# Altium PCB PCB.PcbDoc (part 3 of 4) (continued)
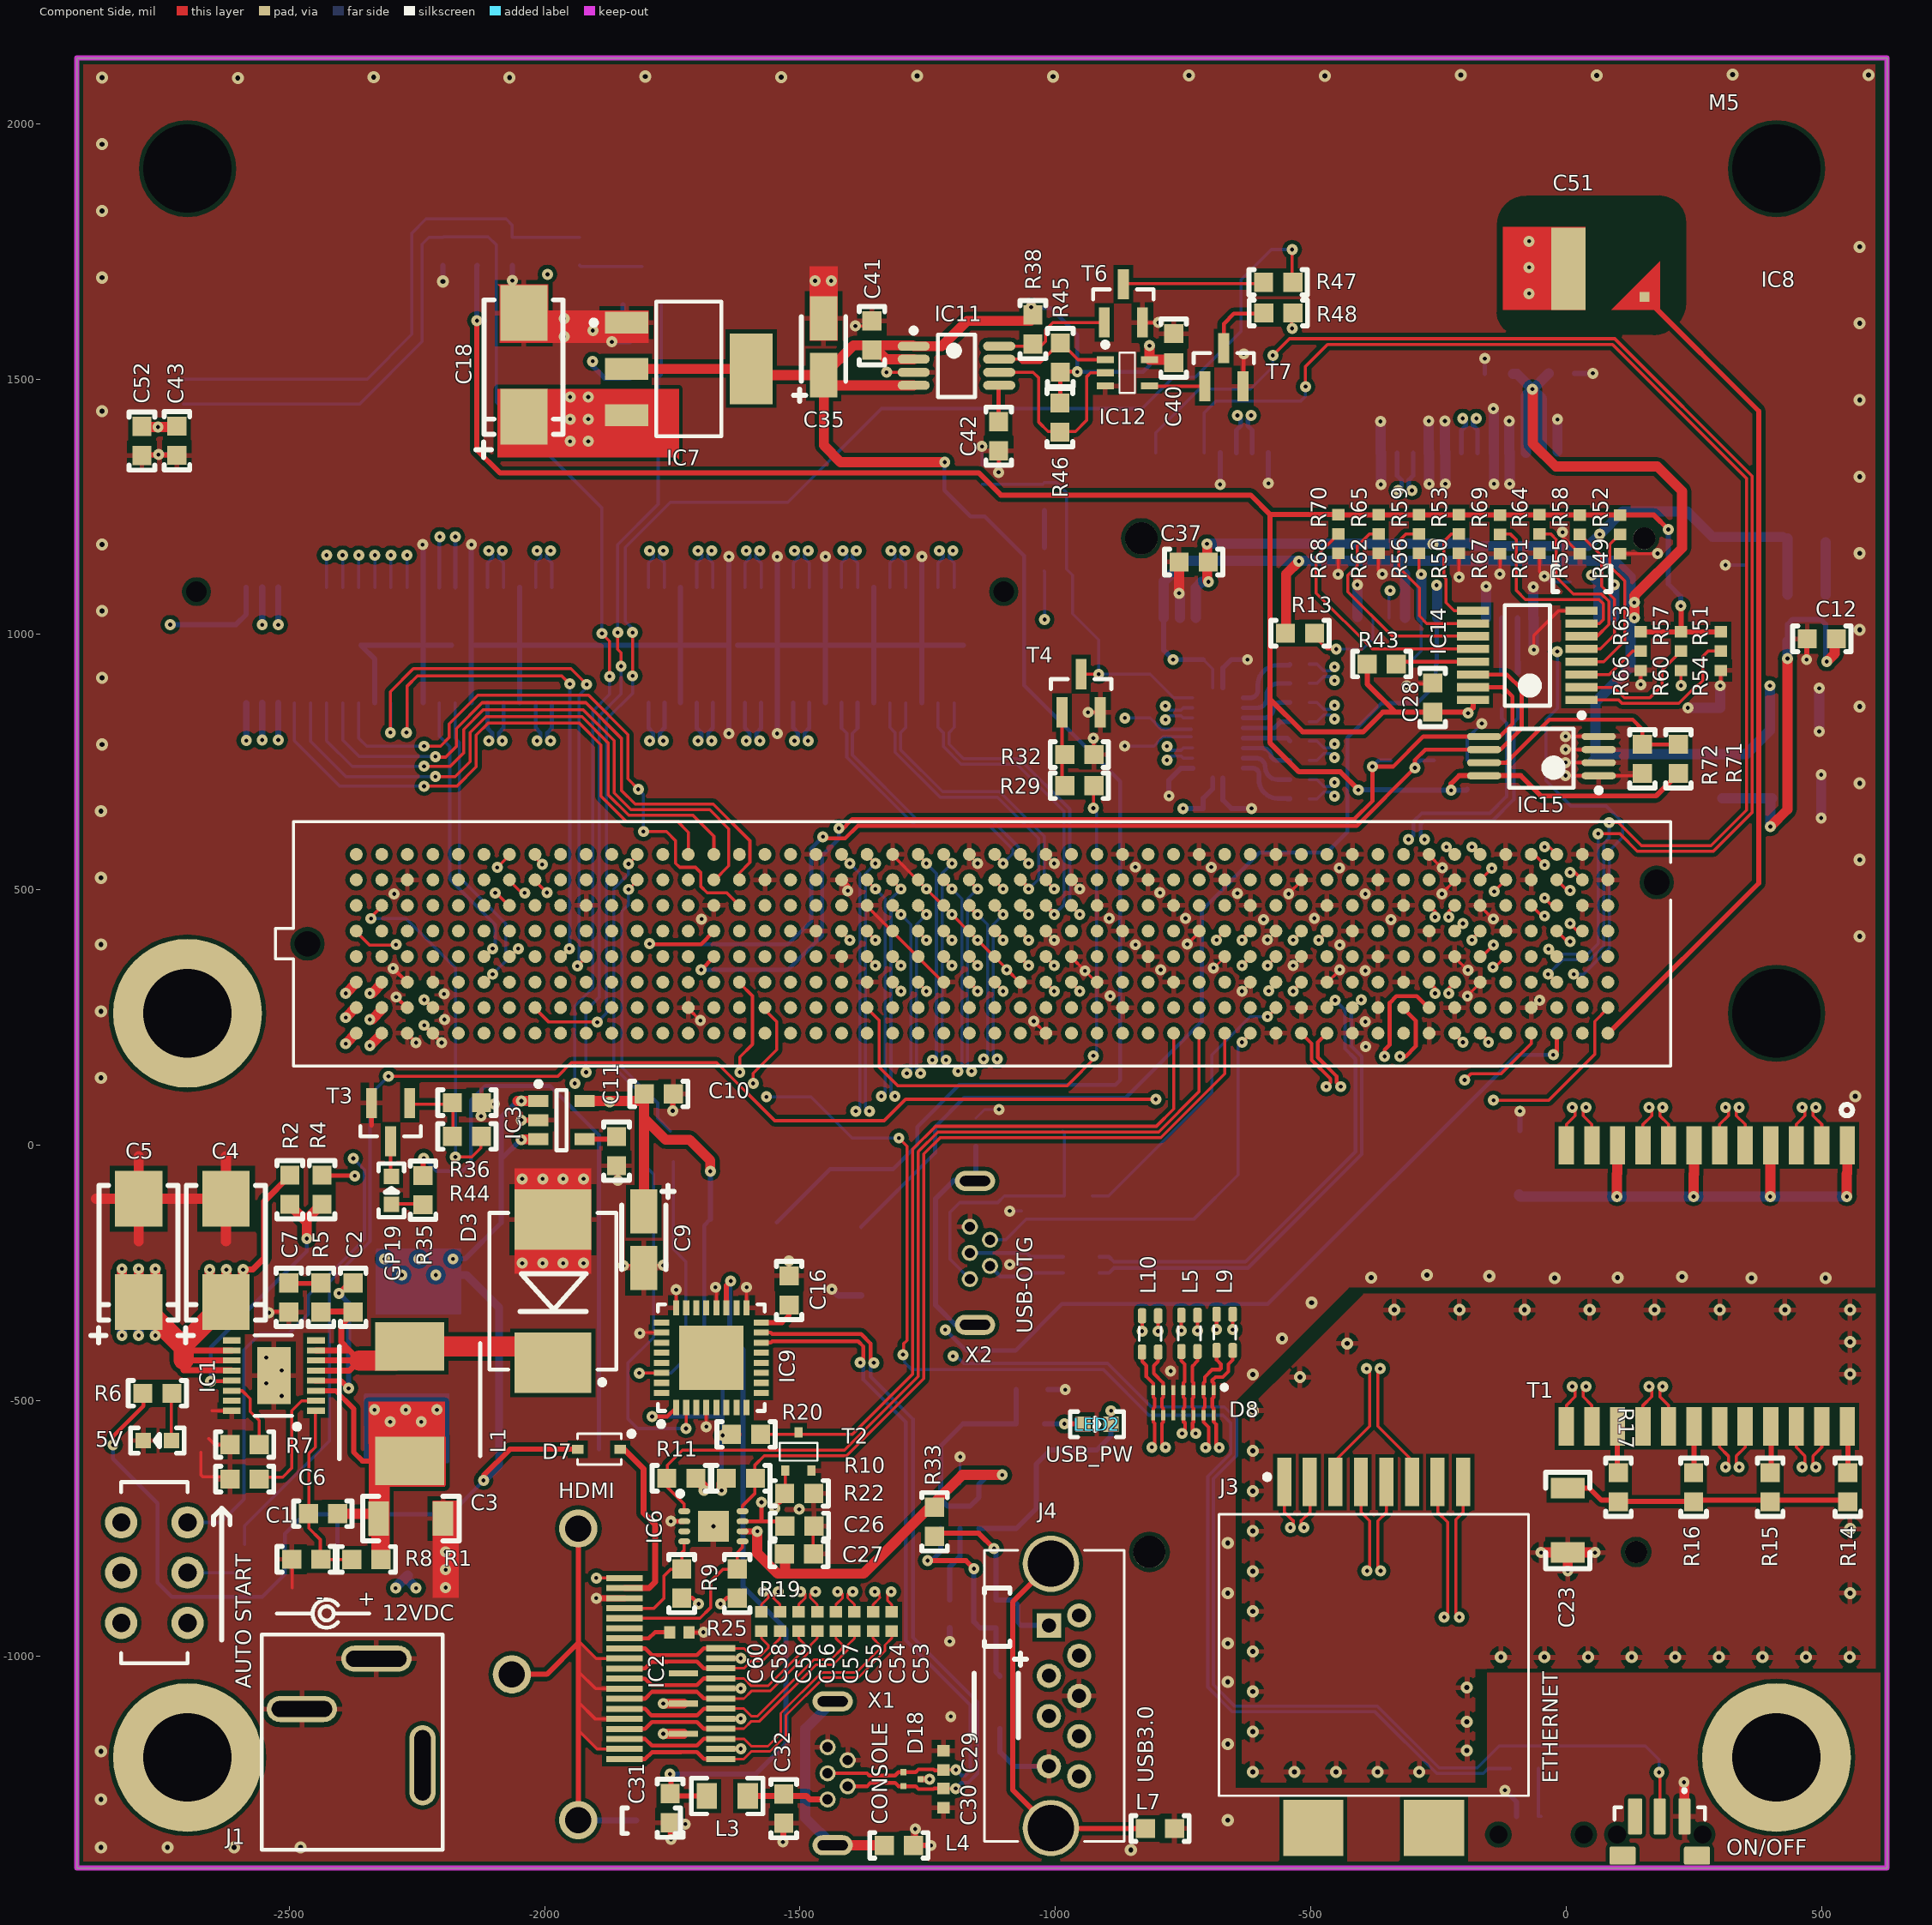
[diagram p0: Component Side view]
## Nets (pads, with @x,y where several pads share a name; then routed paths per layer and width w, separated by ;. In a path a pad name is that pad's centre, name@x,y a point inside that pad or via, vN(x,y) a via of type N, cw(c..) or ccw(c..) an arc to the next point about the centre after c; other vN are vias at no path point) (continued)
I2C_GP1_SCL: IC8.A21
I2C_GP1_SDA: IC8.A20
MDI0_N: J3.2 T1.13 | length 1268.8
  Component Side w5.91: -519.02,-734.32 -519.02,-735.23 ; v1(-513.56,-748.21) -519.02,-742.76 -519.02,-735.23 ; J3.2@-501.89,-667.8 -501.89,-718.1 -519.02,-735.23 ; T1.13@0,-550.2 0,-509.1 17.13,-491.98 17.13,-477.58 v1(11.67,-472.13)
  Fast Signals w5.91: v1(-513.56,-748.21) -519.02,-753.67 -519.02,-763.84 -502.02,-780.84 -128.82,-780.84 -87.82,-739.84 137.45,-739.84 166.45,-710.84 166.45,-598.84 134.2,-566.59 51.35,-566.59 17.13,-532.37 17.13,-477.58 v1(11.67,-472.13)
MDI0_P: J3.1 T1.14 | length 1321
  Component Side w5.91: J3.1@-551.89,-667.8 -551.89,-718.1 -534.76,-735.23 ; v1(-540.22,-748.21) -534.76,-742.76 -534.76,-735.23 ; -534.76,-734.32 -534.76,-735.23 ; v1(38.33,-472.13) 32.87,-477.58 32.87,-491.98 50,-509.1 T1.14@50,-550.2
  Fast Signals w5.91: v1(-540.22,-748.21) -534.76,-753.67 -534.76,-770.37 -508.54,-796.59 -122.3,-796.59 -81.3,-755.59 143.97,-755.59 182.2,-717.37 182.2,-592.32 140.72,-550.84 57.87,-550.84 32.87,-525.84 32.87,-477.58 v1(38.33,-472.13)
MDI1_N: J3.6 T1.16 | length 1267.1
  Component Side w5.91: v1(-364.31,-437.13) -369.02,-441.83 -369.02,-549.98 -301.89,-617.1 J3.6@-301.89,-667.8 ; T1.16@150,-550.2 150,-509.1 167.13,-491.98 167.13,-477.58 v1(161.67,-472.13)
  Fast Signals w5.91: v1(-364.31,-437.13) -369.77,-431.67 -369.77,-404.84 -363.77,-398.84 -295.62,-398.84 ccw(c-269.17,-396.28) -242.59,-396.28 -242.59,-385.65 cw(c-231.76,-385.65) -220.94,-385.65 -220.94,-396.28 ccw(c-194.36,-396.28) -167.79,-396.28 -167.79,-385.65 cw(c-156.96,-385.65) -146.13,-385.65 -146.13,-396.28 ccw(c-119.56,-396.28) -92.98,-396.28 -92.98,-385.65 cw(c-82.16,-385.65) -71.33,-385.65 -71.33,-396.28 ccw(c-44.76,-396.28) -18.18,-396.28 -18.18,-385.65 cw(c-7.35,-385.65) 3.47,-385.65 3.47,-396.28 ccw(c30.05,-396.28) 56.5,-398.84 147.45,-398.84 167.13,-418.52 167.13,-466.67 v1(161.67,-472.13)
MDI1_P: J3.3 T1.17 | length 1321.8
  Component Side w5.91: J3.3@-451.89,-667.8 -451.89,-617.1 -384.76,-549.98 -384.76,-443.33 v1(-390.97,-437.13) ; v1(188.33,-472.13) 182.87,-477.58 182.87,-491.98 200,-509.1 T1.17@200,-550.2
  Fast Signals w5.91: v1(-390.97,-437.13) -385.51,-431.67 -385.51,-398.32 -370.29,-383.1 -293.18,-383.09 cw(c-293.18,-396.28) -279.99,-396.28 ccw(c-269.17,-396.28) -258.34,-396.28 -258.34,-385.65 cw(c-231.76,-385.65) -205.19,-385.65 -205.19,-396.28 ccw(c-194.36,-396.28) -183.54,-396.28 -183.54,-385.65 cw(c-156.96,-385.65) -130.39,-385.65 -130.39,-396.28 ccw(c-119.56,-396.28) -108.73,-396.28 -108.73,-385.65 cw(c-82.16,-385.65) -55.58,-385.65 -55.58,-396.28 ccw(c-44.76,-396.28) -33.93,-396.28 -33.93,-385.65 cw(c-7.35,-385.65) 19.22,-385.65 19.22,-396.28 ccw(c30.05,-396.28) 40.87,-396.28 cw(c54.06,-396.28) 54.06,-383.09 153.97,-383.1 182.87,-412 182.87,-466.67 v1(188.33,-472.13)
MDI2_N: J3.5 T1.19 | length 1242.2
  Component Side w5.91: v1(-363.56,-833.21) -369.02,-827.76 -369.02,-735.23 -351.89,-718.1 J3.5@-351.89,-667.8 ; T1.19@300,-550.2 300,-591.1 317.13,-608.23 317.13,-624.67 v1(311.67,-630.13)
  Fast Signals w5.91: v1(-363.56,-833.21) -369.02,-838.67 -369.02,-884.84 -356.02,-897.84 -325.82,-897.84 -281.71,-853.73 135.55,-853.73 cw(c135.55,-874.4) 156.22,-874.4 ccw(c167.05,-874.4) 177.87,-874.4 cw(c198.54,-874.4) 198.54,-853.73 236.24,-853.73 317.13,-772.84 317.13,-751.84 317.13,-652.21 317.13,-635.58 v1(311.67,-630.13)
MDI2_P: J3.4 T1.20 | length 1341.2
  Component Side w5.91: J3.4@-401.89,-667.8 -401.89,-718.1 -384.76,-735.23 -384.76,-827.76 v1(-390.22,-833.21) ; v1(338.33,-630.13) 332.87,-624.67 332.87,-608.23 350,-591.1 T1.20@350,-550.2
  Fast Signals w5.91: v1(-390.22,-833.21) -384.76,-838.67 -384.76,-891.37 -362.54,-913.59 -319.3,-913.59 -275.19,-869.48 -6.55,-869.48 81.3,-869.48 135.55,-869.48 cw(c135.55,-874.4) 140.47,-874.4 ccw(c167.05,-874.4) 193.62,-874.4 cw(c198.54,-874.4) 198.54,-869.48 242.76,-869.48 332.87,-779.37 332.87,-751.84 ; v1(338.33,-630.13) 332.87,-635.58 332.87,-652.21 ; 332.87,-751.84 332.87,-721.66 ; 332.87,-751.84 332.87,-721.66 ; 332.87,-721.66 332.87,-668.83 ; 332.87,-668.83 332.87,-652.21 ; 332.87,-668.83 332.87,-652.21
MDI3_N: J3.8 T1.22 | length 1271
  Component Side w5.91: v1(-209.55,-923.84) -216.5,-916.89 -216.5,-732.72 -201.89,-718.1 J3.8@-201.89,-667.8 ; T1.22@450,-550.2 450,-591.1 467.13,-608.23 467.13,-624.67 v1(461.67,-630.13)
  Fast Signals w5.91: v1(-209.55,-923.84) -216.5,-930.8 -216.5,-943.84 -206.5,-953.84 262.45,-953.84 467.13,-749.17 467.13,-635.58 v1(461.67,-630.13)
MDI3_P: J3.7 T1.23 | length 1325.3
  Component Side w5.91: J3.7@-251.89,-667.8 -251.89,-718.1 -232.25,-737.74 -232.25,-916.89 v1(-239.2,-923.84) ; v1(488.33,-630.13) 482.87,-624.67 482.87,-608.23 500,-591.1 T1.23@500,-550.2
  Fast Signals w5.91: v1(-239.2,-923.84) -232.25,-930.8 -232.25,-950.37 -213.03,-969.59 268.97,-969.59 482.87,-755.69 482.87,-635.58 v1(488.33,-630.13)
Net5V_A: 5V.A R6.1 | length 92.5
  Component Side w6: 5V.A@-2730.37,-577.95 R6.1@-2730.37,-485.43
"NetAUTO START_2": "AUTO START.2" R24.1 | length 111.8
  Solder Side w5.94: -2698.82,-836.61 -2587.07,-836.61 R24.1@-2587.01,-836.56
NetC1_1: C1.1 IC1.1 R1.2 R8.2 | length 377.7
  Component Side w6: C1.1@-2461.28,-721.1 -2461.28,-749.48 -2439.04,-771.72 -2439.04,-810.41 -2438.74,-810.71 -2376.28,-810.71 R1.2@-2383.64,-803.35 ; C1.1@-2461.28,-720.71 -2461.28,-603.21 -2448.8,-590.73 IC1.1@-2448.8,-520
NetC1_2: C1.2 C3.2 F1.1 IC1.3 L1.2 R1.1 | length 377.2
  Component Side w10: IC1.3@-2448.8,-480.63 -2408.86,-480.63 -2373.78,-515.71 -2373.78,-600.71 -2356.57,-617.91 L1.2@-2263.78,-617.91
  Component Side w20: C1.2@-2406.28,-721.1 -2334.37,-721.1 C3.2@-2324.76,-730.71
  other v1: -2302.36,-541.34 -2241.34,-541.34 -2332.87,-517.72 -2271.85,-517.72 -2210.83,-517.72
NetC2_1: C2.1 D3.C IC1.SW L1.1 R5.2 | length 831.2
  Component Side w11.81: IC1.SW@-2447.22,-440.94 -2381.7,-440.94 -2362.01,-421.26 ; IC1.SW@-2447.22,-421.26 -2362.01,-421.26 ; IC1.SW@-2447.22,-401.57 -2381.7,-401.57 ; R5.2@-2437.67,-325.34 -2374.68,-325.34 -2374.68,-328.67 -2398.01,-352.01 -2398.01,-385.26 -2381.7,-401.57 ; L1.1@-2286.94,-416.66 L1.1@-2263.78,-393.5 ; -2381.7,-401.57 -2362.01,-421.26
  Component Side w19.68: L1.1@-2291.75,-421.26 -2291.54,-421.26 L1.1@-2286.94,-416.66
  Component Side w39.37: -2362.01,-421.26 -2291.75,-421.26 L1.1@-2291.45,-420.95 ; L1.1@-2263.78,-393.5 -2016.14,-393.5 D3.C@-1983.78,-425.87
NetC2_2: C2.2 IC1.4 | length 300.7
  Component Side w10: IC1.4@-2448.8,-460.95 -2398.54,-460.95 v1(-2383.78,-475.71) ; v1(-2402.55,-289.84) -2383.05,-270.34 C2.2@-2374.68,-270.34
  Solder Side w10: v1(-2402.55,-289.84) -2383.78,-308.61 v1(-2383.78,-475.71)
NetC6_2: C6.2 IC1.2 | length 242.1
  Component Side w6: C6.2@-2558.78,-660.71 -2547.53,-649.46 -2512.53,-649.46 -2494.84,-631.77 -2494.84,-519.65 -2475.51,-500.32 IC1.2@-2448.8,-500.32
NetC7_2: C7.2 R5.1 | length 63
  Component Side w10: C7.2@-2500.66,-270.34 R5.1@-2437.67,-270.34
NetC11_2: C11.2 IC3.4 | length 63.1
  Component Side w10: IC3.4@-1921.46,11.81 C11.2@-1858.35,11.81
NetC15_1: C15.1 T1.1 T1.4 T1.7 T1.10 | length 1052
  Component Side w20: v1(99.02,-100.39) 99.02,-56.1 100,-55.12 T1.10@100,0 ccw(c100,-0.98) T1.10@99.02,-0.98 ; v1(249.02,-100.39) 249.02,-56.1 250,-55.12 ; 250,-56.89 250,-55.12 ; T1.7@250,0 250,-55.12 ; v1(399.02,-100.39) 399.02,-0.98 cw(c400,-0.98) T1.4@400,0 ; v1(549.02,-100.39) 549.02,-56.1 550,-55.12 T1.1@550,0 T1.1@549.02,-0.98
  Solder Side w20: C15.1@-92.72,-96.46 ccw(c-88.78,-96.46) -88.78,-100.39 v1(99.02,-100.39) v1(249.02,-100.39) v1(399.02,-100.39) v1(549.02,-100.39)
NetC16_2: C16.2 IC9.16 | length 86.4
  Component Side w10: IC9.16@-1576.11,-346.95 -1535.49,-346.95 -1521.32,-332.78 C16.2@-1521.32,-311.57 ; C16.2@-1524.61,-306.27 C16.2@-1521.41,-303.07
NetC23_2: C23.2 R14.1 R15.1 R16.1 R17.1 | length 554.8
  Component Side w10: C23.2@2.76,-671.26 45.08,-671.26 68.7,-694.88 R17.1@100.2,-694.88 ; R17.1@101.99,-697.08 R16.1@248.99,-697.08 ; R16.1@250.46,-694.88 R14.1@550.98,-694.88
NetC32_1: C32.1 L3.2 X1.1 | length 159.3
  Component Side w11.81: L3.2@-1602.55,-1273.84 -1532.55,-1273.84 -1487.55,-1273.84 -1480.88,-1280.51 X1.1@-1446.06,-1280.51
NetC33_1: C33.1 IC10.6 L6.1 | length 425.2
  Component Side w10: v1(-1250.2,-812.99) -1175.39,-812.99 v1(-1159.65,-828.74)
  Solder Side w10: v1(-1250.2,-812.99) -1242.32,-812.99 -1224.61,-795.28 IC10.6@-1224.61,-750 ; v1(-1159.65,-828.74) -1159.65,-932.75 -1147.55,-944.84 -1116.55,-944.84 -1116.55,-1031.22 C33.1@-1108.46,-1039.31
NetC42_2: C42.2 IC11.5 | length 72.3
  Component Side w7.87: C42.2@-1111.21,1415.66 -1111.21,1486.58 IC11.5@-1110.23,1487.57
NetC44_2: C44.2 J6.4 R21.1 R30.2 | length 1052.5
  Solder Side w6: J6.4@-2709.39,1499.71 J6.4@-2707.52,1499.71 ; J6.4@-2707.52,1499.87 -2347.31,1499.87 -2259.67,1587.51 -2259.67,1785.52 -2231.95,1813.24 -2075.37,1813.24 -2063.19,1801.06 -2063.19,1777.44 R30.2@-1931.36,1777.44
NetD7_C: D7.C HDMI.18 | length 350.2
  Component Side w11.81: D7.C@-1844.55,-594.84 -1806.05,-633.34 -1806.05,-719.56 -1783.55,-742.06 -1783.55,-854.84 -1795.48,-866.77 HDMI.18@-1843.54,-866.77
NetGP19_A: GP19.A R35.1 | length 55.5
  Component Side w6: GP19.A@-2298.78,-115.71 -2297.68,-114.61 R35.1@-2243.78,-114.61
NetGP19_K: GP19.K T3.3 | length 66
  Component Side w6: GP19.K@-2301.38,-58.11 T3.3@-2301.38,7.87
NetHDMI_13: HDMI.13 R25.2 | length 93.4
  Component Side w7.87: HDMI.13@-1843.54,-965.2 -1796.3,-965.2 -1784.25,-953.15 R25.2@-1755.12,-953.15
NetIC1_14: IC1.14 R7.2 | length 150.8
  Component Side w6: IC1.14@-2613.8,-480.63 -2591.77,-480.63 -2576.3,-496.1 -2576.3,-521.1 -2558.78,-538.62 R7.2@-2558.78,-595.71
NetIC4_6: IC4.6 L8.1 | length 102.4
  Solder Side w20: IC4.6@507.68,1077.76 L8.1@507.68,1180.12
NetIC9_2: IC9.2 R41.1 | length 717.2
  Component Side w5.98: v1(-1723.17,-554.38) -1722.76,-553.97 IC9.2@-1722.76,-513.28
  Solder Side w5.98: R41.1@-1804.33,-9.06 -1804.33,-39.06 -1786.55,-56.84 -1786.55,-375.84 -1836.55,-425.84 -1836.55,-535.84 -1818.01,-554.38 v1(-1723.17,-554.38)
NetIC9_30: IC9.30 R40.1 | length 541.3
  Component Side w5.94: v1(-1814.55,-445.84) -1814.08,-445.37 IC9.30@-1770.99,-445.37
  Solder Side w5.94: v1(-1814.55,-445.84) -1752.55,-445.84 -1723.55,-416.84 -1723.55,-227.84 -1747.94,-203.46 R40.1@-1747.94,-32.43
NetIC10_4: IC10.4 LED2.K | length 460.1
  Component Side w6: LED2.K@-891.28,-546.13 v1(-891.28,-519.63)
  Solder Side w10: IC10.4@-1149.8,-750 -1076.71,-750 -1037.55,-710.84 -1037.55,-623.84 -1010.16,-596.46 -919.11,-596.46 -891.28,-568.63 v1(-891.28,-519.63)
NetIC10_5: IC10.5 R27.2 | length 148
  Solder Side w10: R27.2@-1206.89,-889.84 -1206.89,-824.8 -1187.2,-805.12 IC10.5@-1187.2,-750
NetIC14_13: IC14.13 R43.1 | length 155.4
  Component Side w7.87: R43.1@-338.09,946.56 IC14.13@-182.68,946.56
NetIC15_7: IC15.7 R71.1 R72.2 | length 452.3
  Component Side w7.87: IC15.7@-161.02,749.02 -117.52,749.02 -33.46,833.07 129.92,833.07 148.82,814.18 R72.2@148.82,784.85 R71.1@219.29,784.85
NetLED2_A: LED2.A R18.1 | length 70.9
  Component Side w10: v1(-982.48,-545.28) LED2.A@-950.98,-545.28
  Solder Side w10: R18.1@-1021.85,-545.28 v1(-982.48,-545.28)
NetPCI/SATA_A: PCI/SATA.A R31.1 | length 71.7
  Solder Side w10: R31.1@-1021.85,1170.47 PCI/SATA.A@-1021.85,1242.13
NetR14_2: R14.2 T1.24 | length 88.7
  Component Side w10: R14.2@550.98,-639.88 T1.24@550.98,-551.18
NetR15_2: R15.2 T1.21 | length 89
  Component Side w10: R15.2@400.72,-639.88 T1.21@400.72,-550.92
NetR16_2: R16.2 T1.18 | length 89.2
  Component Side w10: R16.2@250,-639.42 T1.18@250,-550.2
NetR17_2: R17.2 T1.15 | length 89.5
  Component Side w10: R17.2@100,-639.69 T1.15@100,-550.2
NetR28_1: R28.1 REC.2 | length 99.1
  Solder Side w6: R28.1@-54.78,-1220.02 -54.78,-1313.78 REC.2@-49.41,-1313.78
NetR29_2: R29.2 R32.2 T4.1 | length 146.3
  Component Side w6: T4.1@-987.18,847.47 -987.18,710.28 R29.2@-980.78,703.87
NetR30_1: R30.1 T5.3 | length 122.9
  Solder Side w6: R30.1@-1931.3,1722.5 -1929.27,1720.47 T5.3@-1809.25,1720.47
NetR36_2: R36.2 R44.2 T3.1 | length 148.6
  Component Side w6: T3.1@-2263.98,82.68 -2262.01,80.71 -2179.21,80.71 R44.2@-2179.21,17.72
NetR47_1: R47.1 T6.3 | length 278.3
  Component Side w6: T6.3@-862.97,1686.51 R47.1@-584.62,1686.51
NetR48_1: R48.1 T7.3 | length 146.1
  Component Side w7.87: T7.3@-670.55,1560.56 -670.55,1608.19 -650.96,1627.77 -592.07,1627.77 R48.1@-583.65,1636.19
P0: IC14.4 R49.1 R52.1 | length 327.8
  Component Side w5.91: IC14.4@29.92,946.56 73.33,946.56 114.17,987.4 114.17,1104.72 84.95,1133.95 84.95,1176.21 R52.1@103.15,1194.42
P1: IC14.5 R55.1 R58.1 | length 292.6
  Component Side w5.91: IC14.5@29.92,971.56 66.44,971.56 94.09,999.21 94.09,1069.21 68.9,1094.4 68.9,1153.94 R58.1@32.28,1190.55
P2: IC14.6 R61.1 R64.1 | length 341.2
  Component Side w5.91: R64.1@-52.45,1196.26 -30.12,1196.26 -19.69,1185.83 -19.69,1112.6 13.58,1079.33 68.66,1079.33 83.27,1064.72 83.27,1019.49 60.33,996.56 IC14.6@29.92,996.56
P3: IC14.7 R67.1 R69.1 | length 393.6
  Component Side w5.91: R69.1@-130.21,1196.26 -109.25,1196.26 -97.64,1184.65 -97.64,1085.83 -80.31,1068.5 64.17,1068.5 72.44,1060.24 72.44,1029.13 64.86,1021.56 IC14.7@29.92,1021.56
P4: IC14.9 R50.1 R53.1 | length 216.7
  Component Side w5.91: R53.1@-209.93,1196.26 -225.57,1196.26 -240.16,1181.67 -240.16,1113.65 -235.43,1108.93 -235.43,1062.6 -219.39,1046.56 IC14.9@-182.68,1046.56
P5: IC14.10 R56.1 R59.1 | length 319.4
  Component Side w5.91: R59.1@-288.67,1196.26 -314.76,1196.26 -327.95,1183.07 -327.95,1131.05 -287.8,1090.89 -287.8,1036.22 -273.13,1021.56 IC14.10@-182.68,1021.56
P6: IC14.11 R62.1 R65.1 | length 429.3
  Component Side w5.91: R65.1@-367.82,1196.26 -386.02,1196.26 -409.06,1173.23 -409.06,1134.45 -427.76,1115.75 -427.76,1083.66 -340.65,996.56 IC14.11@-182.68,996.56
P7: IC14.12 R68.1 R70.1 | length 485.6
  Component Side w5.91: R70.1@-446.26,1196.26 -489.76,1152.76 -489.76,1081.1 -380.22,971.56 IC14.12@-182.68,971.56
PCI_SATA_SEL: IC8.B21 R29.1 | length 1123.5
  Component Side w6: IC8.B21@-1368.66,267.91 -1344.78,244.03 -1344.78,152.87 -1308.78,116.87 -976.87,116.87 -919.49,174.25 v1@-919.49,175.2 ; v1(-925.78,659.87) R29.1@-925.78,703.87
  Solder Side w6: v1(-925.78,175.2) -919.78,181.2 -919.78,653.87 v1(-925.78,659.87)
PCIE1_WDISABLE: J5.20 R13.1 | length 175.1
  Component Side w5: R13.1@-493.76,996.06 -468.96,971.26 v3(-450.39,971.26)
  Solder Side w5: v3(-450.39,971.26) -398.43,971.26 -378.54,991.14 J5.20@-378.54,1032.48
PEX/SATA_TX_N: IC13.8 J5.31 | length 1279.9
  Fast Signals w5.98: v1(-784.78,859.87) -790.22,854.43 -807.38,854.43 -829.05,876.1 -829.05,886.99 -814.16,901.87 -725.45,901.87 -671.82,955.51 -671.82,1038.19 -517.79,1192.22 -517.79,1407.04 -460.54,1464.28 -212.23,1464.28 -197.48,1449.53 -197.48,1428.29 v1(-202.89,1422.87)
  Solder Side w5.98: v1(-784.78,859.87) -776.89,851.99 -766.59,851.99 -766.55,851.95 -754.65,851.95 -750.3,856.3 IC13.8@-731.5,856.3
  Solder Side w9: J5.31@-205.31,1355.31 -205.31,1399.9 -196.57,1408.65 -196.57,1418.87 -200.57,1422.87 v1(-202.89,1422.87)
PEX/SATA_TX_P: IC13.7 J5.33 | length 1358.5
  Fast Signals w5.98: v1(-784.65,833.17) -790.08,838.61 -813.93,838.61 -844.87,869.55 -844.87,893.54 -820.72,917.7 -732.01,917.7 -687.64,962.07 -687.64,1044.75 -533.62,1198.78 -533.62,1413.59 -467.1,1480.11 -205.68,1480.11 -181.65,1456.08 -181.65,1428.29 v1(-176.24,1422.87)
  Solder Side w5.98: v1(-784.65,833.17) -776.85,840.96 -754.65,840.96 -750.3,836.61 IC13.7@-731.5,836.61
  Solder Side w9: v1(-176.24,1422.87) -178.57,1422.87 -182.57,1418.87 -182.57,1408.65 -173.82,1399.9 J5.33@-173.82,1355.31
PEX_CLK_N: IC8.A45 J5.11 | length 2185.8
  Component Side w6: IC8.A45@-168.66,219.49 -152.5,203.33 v1(-152.5,201.76)
  Fast Signals w6: v1(-643.84,1428.76) -635.79,1436.81 -635.79,1446.58 -616.65,1465.72 -564.5,1517.87 -34.22,1517.87 22.22,1461.43 22.22,935.87 -41.78,871.87 -41.78,670.87 -68.78,643.87 -68.78,343.32 -172,240.09 -172,218.87 -154.89,201.76 v1(-152.5,201.76)
  Solder Side w9: J5.11@-646.26,1355.31 -646.26,1399.73 -637.51,1408.48 -637.51,1422.43 v1(-643.84,1428.76)
PEX_CLK_P: IC8.A44 J5.13 | length 2146.5
  Component Side w6: IC8.A44@-218.66,219.49 -218.66,217.91 v1(-202.5,201.76)
  Fast Signals w6: v1(-617.19,1428.76) -621.57,1433.14 -621.57,1445.25 -559.94,1506.87 -38.78,1506.87 11.22,1456.87 11.22,940.43 -52.78,876.43 -52.78,675.43 -79.78,648.43 -79.78,347.87 -183,244.65 -183,218.87 -200.12,201.76 v1(-202.5,201.76)
  Solder Side w9: v1(-617.19,1428.76) -623.51,1422.43 -623.51,1408.48 -614.76,1399.73 J5.13@-614.76,1355.31
PEX_CLKREQ: IC8.C48 J5.7 | length 2705.5
  Component Side w6: v1(-510.55,1485.16) -510.55,1524.87 -467.55,1567.87 90.33,1567.87 352.76,1305.45 352.76,656 283.27,586.51 146.95,586.51 101.59,631.87 v1(83.72,631.87) ; v1(-35.7,334.95) IC8.C48@-19.54,318.8
  Solder Side w6: J5.7@-709.25,1355.31 -709.25,1433.46 -685.55,1457.16 -519.55,1457.16 -510.55,1466.16 v1(-510.55,1485.16) ; v1(-35.7,334.95) -7.7,362.95 45.74,362.95 73.14,390.35 73.14,590.8 83.72,601.37 v1(83.72,631.87)
PEX_RST: IC8.C49 J5.22 | length 1251.4
  Component Side w5: IC8.C49@30.46,318.8 IC8.C49@31.34,317.91
  Component Side w6: v1@-345.78,1086.87 v1(-344.78,1085.87) ; v1(14.3,334.95) IC8.C49@30.46,318.8 ; IC8.C49@31.34,317.91 IC8.C49@32.28,317.91
  Fast Signals w6: v1(-344.78,1085.87) -336.44,1085.87 -325.01,1074.44 -125.62,1074.44 v3(-17.72,966.54)
  Solder Side w6: J5.22@-347.05,1032.48 -347.05,1083.61 v1(-344.78,1085.87) ; v3(-17.72,966.54) -17.72,855.12 -39.76,833.07 -39.76,712.99 9.06,664.17 77.99,664.17 110.22,631.94 110.22,602.87 84.06,576.72 84.06,385.72 33.3,334.95 v1(14.3,334.95)
PEX_RX/SATA_RX_N: IC13.4 J5.25 | length 1199.9
  Fast Signals w5.98: v1(-781.69,781) -787.34,775.35 -832.19,775.35 -844.95,762.59 -844.95,729.97 -826.13,711.16 -651.95,711.16 -544.74,818.37 -544.74,1054.94 -459.56,1140.11 -382.62,1140.11 -307.64,1215.09 -307.64,1276.46 v1(-302.22,1281.87)
  Solder Side w5.98: v1(-781.69,781) -773.9,773.21 -754.65,773.21 -750.3,777.56 IC13.4@-731.5,777.56
  Solder Side w9: v1(-302.22,1281.87) -308.55,1288.2 -308.55,1302.15 -299.8,1310.9 J5.25@-299.8,1355.31
PEX_RX/SATA_RX_P: IC13.3 J5.23 | length 1117.6
  Fast Signals w5.98: v1(-781.78,753.87) -787.43,759.53 -819.07,759.53 -829.12,749.48 -829.12,736.53 -819.58,726.99 -658.5,726.99 -560.56,824.93 -560.56,1061.49 -466.12,1155.93 -389.18,1155.93 -323.46,1221.65 -323.46,1276.46 v1(-328.88,1281.87)
  Solder Side w5.98: v1(-781.78,753.87) -773.43,762.22 -754.65,762.22 -750.3,757.87 IC13.3@-731.5,757.87
  Solder Side w9: J5.23@-331.3,1355.31 -331.3,1310.9 -322.55,1302.15 -322.55,1288.2 v1(-328.88,1281.87)
PEX_RX_MOD_N: C19.1 IC13.19 | length 136.3
  Solder Side w9: IC13.19@-633.07,738.19 -613.09,738.19 cw(c-613.09,726.87) -601.78,726.87 -601.78,716.17 ccw(c-564.48,716.17) -564.48,678.87 -541.47,678.87 cw(c-541.47,678.15) C19.1@-540.75,678.15 C19.1@-545.85,678.15
PEX_RX_MOD_P: C20.1 IC13.18 | length 116.3
  Solder Side w9: IC13.18@-633.07,757.87 -607.25,757.87 cw(c-607.25,739.87) -589.25,739.87 ccw(c-565.21,739.87) -565.21,715.83 C20.1@-540.75,715.83
PEX_RX_N: C19.2 IC8.H45 | length 676.3
  Component Side w6: v1(-184.82,584.07) IC8.H45@-168.66,567.91
  Fast Signals w6: v1(-453.78,683.66) -461.61,691.49 -568.16,691.49 -577.78,681.87 -577.78,668.87 -566.78,657.87 -231.78,657.87 -204.32,630.41 -204.32,590.87 -197.52,584.07 v1(-184.82,584.07)
  Solder Side w5.98: C19.2@-502.95,678.15 -488.3,678.15 -474.95,691.5 -461.61,691.5 v1(-453.78,683.66)
PEX_RX_P: C20.2 IC8.H44 | length 694.8
  Component Side w6: v1(-234.82,584.07) IC8.H44@-218.66,567.91
  Fast Signals w6: v1(-453.78,710.32) -461.61,702.49 -572.72,702.49 -585.56,689.65 -588.78,686.43 -588.78,664.32 -585.56,661.1 -585.56,660.65 -571.78,646.87 -236.34,646.87 -215.32,625.86 -215.32,590.87 -222.12,584.07 v1(-234.82,584.07)
  Solder Side w5.98: C20.2@-502.95,715.83 -488.3,715.83 -474.95,702.48 -461.61,702.48 v1(-453.78,710.32)
PEX_TX_MOD_N: C22.1 IC13.16 | length 94.8
  Solder Side w9: IC13.16@-633.07,797.24 -546.79,797.24 C22.1@-540.75,791.2
PEX_TX_MOD_P: C21.1 IC13.17 | length 109.4
  Solder Side w9: IC13.17@-633.07,777.56 -595.86,777.56 cw(c-595.86,758.87) -578.32,765.31 ; C21.1@-540.75,753.52 -566.53,753.52 cw(c-566.53,765.31) -577.24,760.37 ; -578.32,765.31 ccw(c-566.53,765.31) -577.24,760.37 ; -578.32,765.31 cw(c-595.86,758.87) -577.24,760.37
PEX_TX_N: C22.2 IC8.E45 | length 719
  Component Side w6: v1(-184.82,401.76) -184.82,403.33 IC8.E45@-168.66,419.49
  Fast Signals w6: v1(-453.78,785.68) -445.95,777.86 -259.21,777.86 -150.78,669.43 -150.78,570.37 -188.16,532.99 -188.16,454.26 -183.68,449.77 -183.68,402.9 v1(-184.82,401.76)
  Solder Side w5.98: C22.2@-502.95,791.2 -488.3,791.2 -474.95,777.85 -461.61,777.85 v1(-453.78,785.68)
PEX_TX_P: C21.2 IC8.E44 | length 666
  Component Side w6: IC8.E44@-218.66,417.91 v1(-202.5,434.07)
  Fast Signals w6: v1(-453.78,759.03) -445.95,766.86 -263.76,766.86 -161.78,664.87 -161.78,574.93 -199.16,537.55 -199.16,455.87 -202.5,452.53 v1(-202.5,434.07)
  Solder Side w5.98: C21.2@-502.95,753.52 -488.3,753.52 -474.95,766.86 -461.61,766.86 v1(-453.78,759.03)
PEX_WAKE: IC8.D48 J5.1 | length 2762.2
  Component Side w5: IC8.D48@-18.66,367.91 IC8.D48@-17.78,367.03
  Component Side w6: v1(-574.55,1546.16) -541.83,1578.87 94.78,1578.87 363.68,1309.97 363.68,651.47 287.8,575.59 138.98,575.59 104.69,609.87 v1(62.22,609.87) ; v1(-34.82,384.07) IC8.D48@-18.66,367.91
  Solder Side w6: J5.1@-803.74,1355.31 -803.74,1394.97 -718.55,1480.16 -618.55,1480.16 -574.55,1524.16 v1(-574.55,1546.16) ; v1(-34.82,384.07) -24.62,373.87 41.22,373.87 62.22,394.87 v1(62.22,609.87)
POWER_BTN: IC8.B50 R24.2 | length 3608.7
  Component Side w6: v3(-2305.51,135.04) -1974.02,135.04 -1947.43,161.62 -1663.04,161.62 -1549.55,48.13 -1335.41,48.13 -1293.38,90.16 v1(-803.55,90.16) ; v3(-142.55,88.16) -34.55,88.16 55.45,178.16 55.45,242.53 IC8.B50@81.34,268.42
  Dummy Layer w6: v1(-803.55,90.16) -801.55,88.16 v3(-142.55,88.16)
  Solder Side w6: R24.2@-2587.01,-781.56 -2587.01,-744.88 -2421.3,-579.17 -2421.3,-268.04 -2341.63,-188.37 -2341.63,98.92 v3(-2305.51,135.04)
POWER_BTN_A: "AUTO START.3" R48.2 | length 4949.7
  Component Side w6: v1@-537.36,1597.92 R48.2@-537.36,1635.15
  Fast Signals w6: v1(-2374.55,-25.84) -2465.89,-25.84 -2531.1,39.37 -2531.1,344.49 -2759.84,573.23 -2759.84,1246.46 -2346.79,1659.51 -1926.31,1659.51 -1862.99,1722.83 -627.17,1722.83 -536.78,1632.45 v1(-536.78,1598.95)
  Solder Side w6: -2698.82,-738.19 -2633.86,-738.19 -2588.47,-692.8 -2588.47,-400.32 -2557.07,-368.92 -2501.07,-368.92 -2462.55,-330.4 -2462.55,-293.84 -2352.55,-183.84 -2352.55,-47.84 v1(-2374.55,-25.84)
POWER_BTN_B: "AUTO START.1" ON/OFF.2 | length 4025.8
  Component Side w6: v3(181.5,-1227.56) 182.87,-1228.94 ON/OFF.2@182.87,-1313.78
  Fast Signals w6: -2698.82,-935.04 -2613.78,-935.04 -2559.15,-880.41 -2559.15,-746.56 -2443.44,-630.84 -1405.55,-630.84 -1200.55,-425.84 v3(-1200.55,-412.84)
  Solder Side w6: v3(-1200.55,-412.84) -1193.55,-412.84 -1179.55,-426.84 -897.55,-426.84 -812.55,-511.84 -669.55,-511.84 -645.55,-535.84 -645.55,-607.34 -690.86,-652.65 -690.86,-1056.1 -648.78,-1098.18 -369.88,-1098.18 -249.22,-1218.84 -174.18,-1218.84 -131.33,-1175.98 154.72,-1175.98 181.5,-1202.76 v3(181.5,-1227.56)
PWR_PULSE: IC12.4 T7.1 | length 108.3
  Component Side w6: IC12.4@-815.94,1486.58 -815.11,1485.76 T7.1@-707.95,1485.76
RESET_IN: IC8.A47 | length 178.5
  Component Side w6: v1(-199.02,127.95) -187.2,139.76 -128.15,139.76 -68.66,199.25 IC8.A47@-68.66,217.91
SATA_RX_MOD_N: C25.1 IC13.14 | length 109.4
  Solder Side w9: IC13.14@-633.07,836.61 -592.04,836.61 ccw(c-592.04,854.87) -573.78,854.87 cw(c-562.09,854.87) -562.09,866.56 C25.1@-540.75,866.56
SATA_RX_MOD_P: C24.1 IC13.15 | length 97.3
  Solder Side w9: IC13.15@-633.07,816.93 -571.72,816.93 -559.77,828.88 C24.1@-540.75,828.88
SATA_RX_N: C25.2 IC8.G46 | length 1015.7
  Component Side w6: v3(-141.33,496.82) IC8.G46@-118.66,519.49
  Fast Signals w6: v1(-453.78,861.05) -445.95,853.22 -420.78,853.22 ccw(c-420.78,861.22) -412.78,861.22 -412.78,870.28 cw(c-393.78,870.28) -374.78,870.28 -374.78,825.17 ccw(c-366.78,825.17) -358.78,825.17 -358.78,870.28 cw(c-339.78,870.28) -320.78,870.28 -320.78,825.17 ccw(c-312.78,825.17) -304.78,825.17 -304.78,870.28 cw(c-285.78,870.28) -266.78,870.28 -266.78,861.22 ccw(c-258.78,861.22) -258.78,853.22 -232.57,853.22 -122,742.65 -122,538.7 -141.33,519.38 v3(-141.33,496.82)
  Solder Side w5.98: C25.2@-502.95,866.56 -488.3,866.56 -474.95,853.21 -461.61,853.21 v1(-453.78,861.05)
SATA_RX_P: C24.2 IC8.G45 | length 949.5
  Component Side w6: IC8.G45@-168.66,519.49 v3(-145.99,542.16)
  Fast Signals w6: v1(-453.78,834.4) -445.95,842.22 -420.78,842.22 ccw(c-420.78,861.22) -401.78,861.22 -401.78,870.28 cw(c-393.78,870.28) -385.78,870.28 -385.78,825.17 ccw(c-366.78,825.17) -347.78,825.17 -347.78,870.28 cw(c-339.78,870.28) -331.78,870.28 -331.78,825.17 ccw(c-312.78,825.17) -293.78,825.17 -293.78,870.28 cw(c-285.78,870.28) -277.78,870.28 -277.78,861.22 ccw(c-258.78,861.22) -258.78,842.22 -237.13,842.22 -133,738.1 -133,555.15 v3(-145.99,542.16)
  Solder Side w5.98: C24.2@-502.95,828.88 -488.3,828.88 -474.95,842.23 -461.61,842.23 v1(-453.78,834.4)
SATA_SEL: IC13.9 PCI/SATA.K R12.2 R39.1 T4.3 | length 789.3
  Component Side w6: T4.3@-949.78,922.28 v1(-915.38,922.28)
  Solder Side w6: R12.2@-1143.9,1294.09 PCI/SATA.K@-1024.88,1294.09 ; PCI/SATA.K@-1021.85,1297.13 -998.11,1297.13 -978.54,1277.56 -978.54,1127.95 -966.73,1116.14 -966.73,1096.46 -966.33,1096.05 -966.33,1056.59 -966.33,1040.32 -915.55,989.55 v1@-915.55,922.28 ; v1(-915.38,922.28) -814.67,922.28 -768.38,875.98 IC13.9@-731.5,875.98
SATA_TX_MOD_N: C50.1 IC13.12 | length 134.3
  Solder Side w9: IC13.12@-633.07,875.98 -618.67,875.98 ccw(c-618.67,890.87) -603.78,890.87 -603.78,901 cw(c-564.91,901) -564.91,939.87 -542.8,939.87 ccw(c-542.8,941.93) C50.1@-540.75,941.93
SATA_TX_MOD_P: C49.1 IC13.13 | length 122.5
  Solder Side w9: IC13.13@-633.07,856.3 -604.78,856.3 ccw(c-604.78,874.46) -586.62,874.46 -586.62,881.03 cw(c-563.41,881.03) -563.41,904.25 C49.1@-540.75,904.25
SATA_TX_N: C50.2 IC8.D46 | length 994
  Component Side w6: v1(-143.54,348.87) -139.28,348.87 IC8.D46@-118.66,369.49
  Fast Signals w6: v1(-453.78,936.41) -446.67,929.31 -211.66,929.31 -101.78,819.43 -97.78,815.43 -97.78,499.32 -97.78,375.82 -113.22,360.37 -132.04,360.37 v1(-143.54,348.87)
  Solder Side w5.98: C50.2@-502.95,941.93 -488.3,941.93 -474.95,928.58 -461.61,928.58 v1(-453.78,936.41)
SATA_TX_P: C49.2 IC8.D45 | length 970.5
  Component Side w6: IC8.D45@-168.66,367.91 -165.55,367.91 -165.55,369.16 v1(-142.55,392.16)
  Fast Signals w6: v1(-453.78,909.76) -445.23,918.31 -216.21,918.31 -108.78,810.87 -108.78,380.37 -117.78,371.37 -132.04,371.37 -142.55,381.88 v1(-142.55,392.16)
  Solder Side w5.98: C49.2@-502.95,904.25 -488.3,904.25 -474.95,917.6 -461.61,917.6 v1(-453.78,909.76)
SD_CD: IC8.F17 | length 5.4
  Component Side w5.98: IC8.F17@-1568.66,469.49 IC8.F17@-1563.22,469.49
SD_CLK: IC8.G18
SD_CMD: IC8.G19
SD_DAT0: IC8.H18
SD_DAT1: IC8.H17
SD_DAT2: IC8.F19
SD_DAT3: IC8.F18
SHIELD: L4.2 X1.S | length 431.5
  Component Side w20: X1.S@-1436.06,-1370.08 -1337.4,-1370.08 L4.2@-1332.46,-1375.02
  Solder Side w20: X1.S@-1436.06,-1370.08 -1489.55,-1316.59 -1489.55,-1142.07 X1.S@-1436.06,-1088.58